# KiCad board AnalogFNN.kicad_pcb (continued)
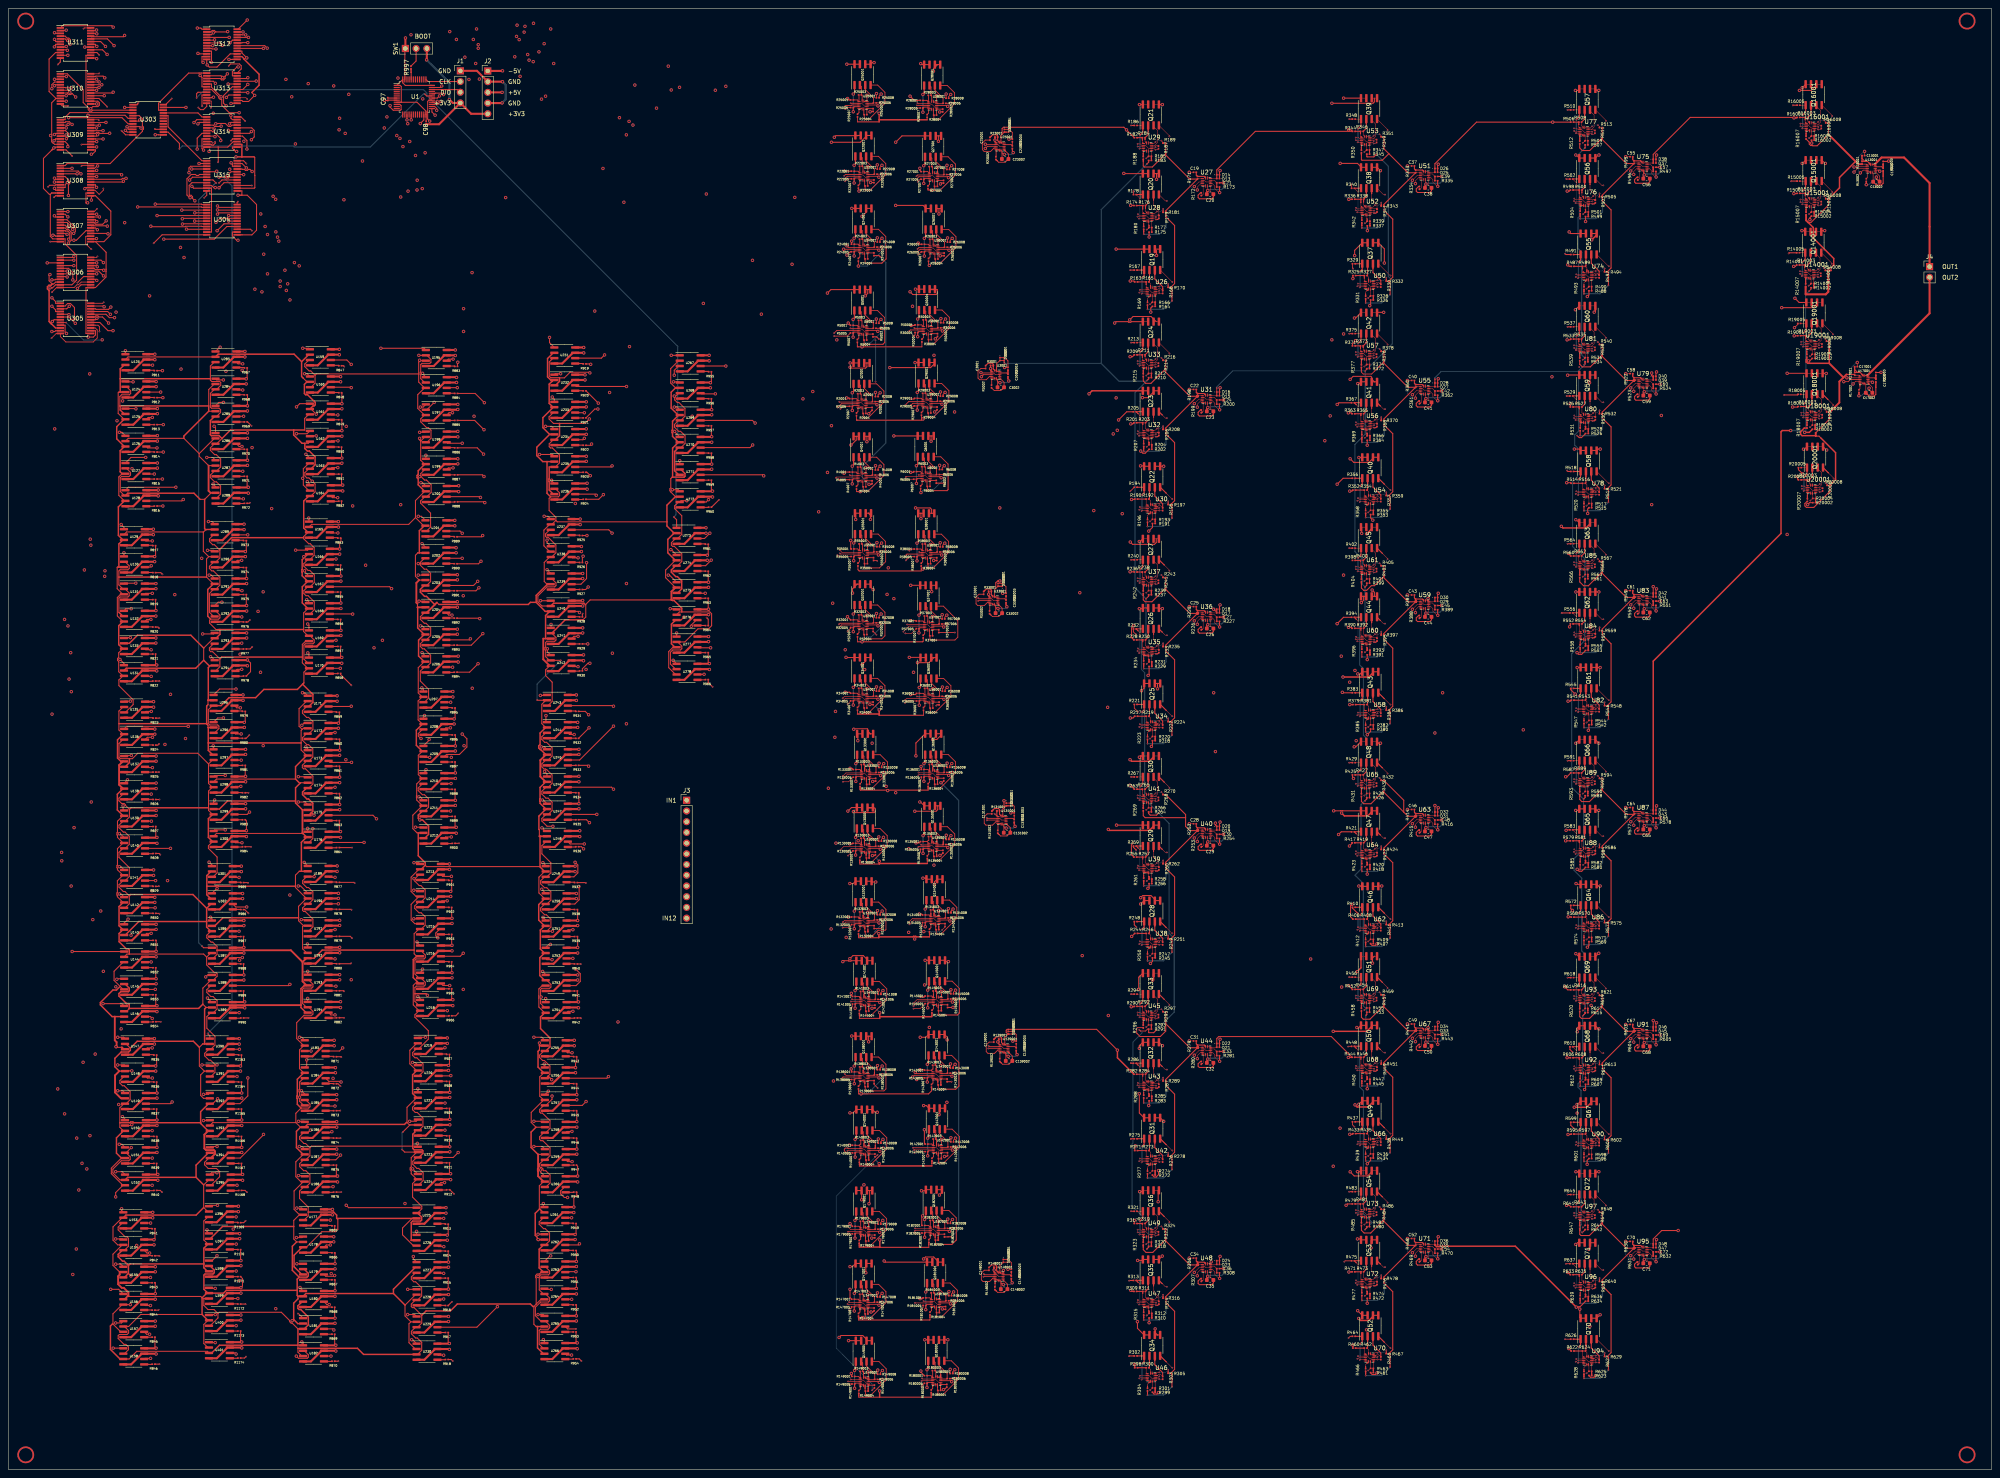
[diagram p0: board, top side]
## Routing (per net, layer and track width the routed paths; a pad name or vN(x,y) marks a point on that pad's centre or on a via; arc(x,y) is an arc through that point) (continued)
/W212: length 258.5
  Top w0.1: Q21.6 272.66,323.72
  Top w0.25: v1(81.25,256.57) 81.14,256.68 U160.6 ; v1(273.48,323.7) 272.69,323.7
  In3.Cu w0.25: v1(89.08,318.16) 89.08,264.4 v1(81.25,256.57)
  In4.Cu w0.25: v1(273.48,323.7) 269.67,319.89 149.82,319.89 148.58,318.65 148.58,318.6 148.25,318.27 148.2,318.27 148.09,318.16 v1(89.08,318.16)
/W213: length 232.1
  Top w0.25: v1(78.07,250.09) 76.54,250.09 ; 270.42,289.42 Q19.8 v1(262.52,289.42)
  In2.Cu w0.25: v1(262.52,254.15) 215.66,254.15 214.72,253.2 208.1,253.2 207.42,253.89 201.43,253.89 199.91,252.37 166.82,252.37 164.54,250.09 162.56,250.09 162.29,250.37 161.81,250.37 161.53,250.09 136.78,250.09 136.73,250.04 136.26,250.04 136.21,250.09 110.86,250.09 110.58,250.37 110.11,250.37 109.83,250.09 105.53,250.09 105.48,250.04 105.01,250.04 104.96,250.09 v1(78.07,250.09)
  In5.Cu w0.25: v1(262.52,254.15) 262.52,271.42 262.75,271.65 262.75,272.13 262.52,272.36 v1(262.52,289.42)
/W214: length 236.2
  Top w0.25: 272.96,289.42 Q19.6 272.09,289.02 v1(272.09,287.92) ; U162.6 76.58,243.96 v1(78.1,243.96)
  In3.Cu w0.25: v1(262.8,246.46) 269.15,252.82 269.15,253.79 269.33,253.96 269.33,254.44 269.15,254.62 269.15,284.98 v1(272.09,287.92)
  In4.Cu w0.25: v1(262.8,246.46) 158.43,246.46 158.13,246.76 157.66,246.76 157.36,246.46 153.87,246.46 151.36,243.96 107.79,243.96 107.78,243.97 107.31,243.97 107.3,243.96 97.73,243.96 97.71,243.94 78.12,243.94 v1(78.1,243.96)
/W215: length 257.7
  Top w0.25: v1(78.07,237.62) 76.69,237.62 U163.6 ; v1(264.34,307.38) 264.4,307.32 Q20.8 270.12,307.32
  In4.Cu w0.25: v1(78.07,237.62) 78.88,237.62 83.26,242 240.86,242 244.45,245.6 v1(261.84,245.6)
  In5.Cu w0.25: v1(261.84,245.6) 261.84,271.42 261.6,271.65 261.6,272.13 261.84,272.36 261.84,304.87 v1(264.34,307.38)
/W216: length 271.5
  Top w0.25: Q20.6 272.03,307.32 ; 272.03,307.32 272.09,307.26 v1(272.09,305.96) ; 272.03,307.32 272.66,307.32 ; v1(78.02,230.48) 76.8,230.48 U164.6
  In2.Cu w0.25: v1(272.09,305.96) 268.68,302.55 201.08,302.55 200.51,303.12 97.32,303.12 97.07,302.88 96.6,302.88 96.36,303.12 96.01,303.12 94.02,301.13 v1(79.51,301.13)
  In3.Cu w0.25: v1(78.02,230.48) 78.02,236.75 77.43,237.34 77.43,299.05 v1(79.51,301.13)
/W221: length 238.1
  Top w0.1: 270.12,272.22 Q24.8
  Top w0.25: Q24.8 266.14,272.22 265.98,272.07 265.5,272.07 265.35,272.22 262.51,272.22 v1(262.18,271.89) ; v1(78.08,222.11) 76.33,222.11
  In1.Cu w0.25: v1(257.23,227.42) 257.23,266.94 v1(262.18,271.89)
  In4.Cu w0.25: v1(257.23,227.42) 192.7,227.42 192.38,227.74 191.76,227.74 191.56,227.54 83.52,227.54 v1(78.08,222.11)
/W222: length 247.2
  Top w0.1: Q24.6 272.66,272.22
  Top w0.25: 272.03,272.22 270.81,273.44 266.54,273.44 v1(265.74,272.64) ; v1(77.64,215.94) 76.3,215.94
  In1.Cu w0.25: v1(263.97,226.68) 263.97,270.87 v1(265.74,272.64)
  In4.Cu w0.25: v1(263.97,226.68) 192.53,226.68 190.71,224.86 138.6,224.86 136.92,223.17 105.02,223.17 97.79,215.94 v1(77.64,215.94)
/W223: length 216.8
  Top w0.25: U167.6 90.34,209.37 v1(90.8,208.91) ; v1(268.31,238.02) 269.06,238.02 ; Q22.8 270.42,237.93
  In1.Cu w0.25: v1(90.8,208.91) 90.8,226.64 v1(92.97,228.82)
  In4.Cu w0.25: v1(92.97,228.82) 111.04,228.82 112.64,230.42 164.79,230.42 165.66,231.3 213.52,231.3 215.72,233.49 263.79,233.49 v1(268.31,238.02)
/W224: length 229.5
  Top w0.25: U168.6 81.53,202.91 v1(81.58,202.87) ; Q22.6 272.96,237.93 ; v1(273.79,237.93) 272.97,237.93
  In1.Cu w0.25: v1(81.58,202.87) v1(81.58,228.53)
  In4.Cu w0.25: v1(81.58,228.53) 81.69,228.41 92.56,228.41 92.73,228.24 93.21,228.24 93.38,228.41 134.74,228.41 135.08,228.75 218.84,228.75 222.6,232.51 268.37,232.51 v1(273.79,237.93)
/W225: length 245.5
  Top w0.25: 270.12,255.82 Q23.8 ; v1(77.64,196.66) 76.37,196.66 U169.6
  Top w0.35: Q23.8 256.81,255.82 v1(256.1,255.11)
  In1.Cu w0.25: v1(256.1,255.11) 253.91,252.92 v1(253.91,207.94)
  In2.Cu w0.25: v1(77.64,196.66) 78.57,196.66 80.64,198.73 97.23,198.73 98.44,199.94 106.8,199.94 106.99,199.75 129.71,199.75 130.66,200.69 180.48,200.69 184.2,204.42 225.81,204.42 229.85,208.46 253.4,208.46 v1(253.91,207.94)
/W226: length 257.5
  Top w0.25: v1(268.75,254.2) 270.05,254.2 271.39,255.54 ; Q23.6 272.66,255.82 ; U170.6 v1(78.65,190.01)
  In2.Cu w0.25: v1(80.06,247.39) 124.66,247.39 125.28,246.77 135.89,246.77 137.7,248.57 137.91,248.57 138.25,248.91 138.25,249.12 138.27,249.15 215.71,249.15 217.03,250.46 219.03,250.46 219.27,250.23 219.74,250.23 219.98,250.46 223.76,250.46 224,250.23 224.47,250.23 224.71,250.46 265.01,250.46 v1(268.75,254.2)
  In3.Cu w0.25: v1(80.06,247.39) 80.06,191.36 78.72,190.01 v1(78.65,190.01)
/W231: length 228.5
  Top w0.1: 270.12,220.72 Q27.8
  Top w0.25: Q27.8 268.21,220.08 v1(268.01,220.08) ; v1(81.25,181.03) 81.19,180.97 U171.6
  In2.Cu w0.25: v1(268.01,220.08) 262.66,214.73 137.57,214.73 137.26,214.43 97.51,214.43 97.36,214.28 96.88,214.28 96.73,214.43 84.68,214.43 v1(84.65,214.46)
  In3.Cu w0.25: v1(84.65,214.46) 84.65,184.42 v1(81.25,181.03)
/W232: length 237.3
  Top w0.1: Q27.6 272.66,220.72
  Top w0.25: 272.03,220.72 272.03,219.83 271.61,219.42 266.42,219.42 v1(265.87,219.96) ; v1(77.4,174.79) 76.15,174.79 U172.6
  In2.Cu w0.25: v1(260.51,180.76) 260.39,180.64 209.75,180.64 207.31,178.2 108.42,178.2 105.01,174.79 v1(77.4,174.79)
  In3.Cu w0.25: v1(265.87,219.96) 260.51,214.59 v1(260.51,180.76)
/W233: length 203.1
  Top w0.25: v1(268.53,184.69) 269.15,185.31 Q25.8 270.42,186.43 ; U173.6 76.23,167.71 v1(81.31,167.71)
  In2.Cu w0.25: v1(268.53,184.69) 263.61,179.77 213.69,179.77 202.8,168.88 107.9,168.88 106.72,167.71 v1(81.31,167.71)
/W234: length 208.7
  Top w0.25: 272.33,186.43 v1(272.33,185.15) ; 272.33,186.43 272.96,186.43 ; 272.33,186.43 Q25.6 ; U174.6 76.05,161.79 v1(77.4,161.79)
  In2.Cu w0.25: v1(272.33,185.15) 266.6,179.42 213.83,179.42 202.95,168.53 108.36,168.53 101.63,161.79 v1(77.4,161.79)
/W235: length 239.5
  Top w0.25: 270.12,204.32 Q26.8 268.67,204.14 v1(268.02,204.14) ; v1(87.23,154.33) 86.39,155.16 75.88,155.16
  In2.Cu w0.25: v1(268.02,204.14) 265.57,201.69 222.35,201.69 219.99,199.33 165.72,199.33 163.06,196.66 109.96,196.66 109.72,196.43 109.25,196.43 109.01,196.66 v1(88.64,196.66)
  In5.Cu w0.25: v1(88.64,196.66) 88.64,155.73 v1(87.23,154.33)
/W236: length 248.7
  Top w0.25: v1(273.48,204.17) 272.81,204.17 ; Q26.6 272.66,204.32 ; U176.6 v1(84.28,148.72)
  In4.Cu w0.25: v1(86.64,194.88) 127.15,194.88 127.15,194.89 127.49,195.22 127.97,195.22 128.31,194.88 134.05,194.88 140.15,200.98 205.98,200.98 206.95,201.95 217.38,201.95 217.66,201.67 270.97,201.67 v1(273.48,204.17)
  In5.Cu w0.25: v1(86.64,194.88) 86.64,151.08 v1(84.28,148.72)
/W241: length 206.2
  Top w0.1: 270.12,169.22 Q30.8
  Top w0.25: v1(77.4,140.45) 76.04,140.45
  Top w0.35: Q30.8 268.33,169.22 v1(268.03,168.93)
  In4.Cu w0.25: v1(268.03,168.93) 262.88,163.78 220.36,163.78 216.52,159.94 97.68,159.94 97.51,160.11 97.04,160.11 96.7,159.77 96.7,159.74 v1(77.4,140.45)
/W242: length 230.5
  Top w0.1: Q30.6 272.66,169.22
  Top w0.25: v1(78.19,134.16) 75.88,134.16
  Top w0.35: v1(265.82,168.34) 266.19,167.96 270.37,167.96 271.39,168.99
  In4.Cu w0.25: v1(265.82,168.34) 105.22,168.34 105.19,168.32 104.72,168.32 104.7,168.34 100.1,168.34 100.08,168.32 99.6,168.32 99.58,168.34 v1(79.97,168.34)
  In5.Cu w0.25: v1(79.97,168.34) 79.97,135.94 v1(78.19,134.16)
/W243: length 199.5
  Top w0.25: v1(77.4,128.06) 76.22,128.06 U191.6 ; v1(268.35,134.12) Q28.8 270.42,134.93
  In2.Cu w0.25: v1(268.35,134.12) 261.14,126.92 215.32,126.92 214.18,128.06 205.89,128.06 205.06,127.23 199.31,127.23 199.07,127.47 198.01,127.47 197.77,127.23 129.31,127.23 129.17,127.09 128.7,127.09 128.56,127.23 78.23,127.23 v1(77.4,128.06)
/W244: length 203.9
  Top w0.25: v1(77.4,121.11) 76.03,121.11 ; Q28.6 272.96,134.93 ; 271.69,135.21 270.77,136.13 268.85,136.13 v1(268.34,135.62)
  In4.Cu w0.25: v1(77.4,121.11) 124.64,121.11 127.88,124.35 127.88,124.77 128.21,125.11 128.69,125.11 128.8,124.99 257.71,124.99 v1(268.34,135.62)
/W245: length 223.5
  Top w0.25: v1(262.62,152.82) Q29.8 270.12,152.82 ; U193.6 76.05,114.64 v1(77.61,114.64)
  In1.Cu w0.25: v1(254.49,121.87) 254.49,144.7 v1(262.62,152.82)
  In2.Cu w0.25: v1(77.61,114.64) 78.5,115.52 104.01,115.52 104.21,115.73 132.25,115.73 138.4,121.87 v1(254.49,121.87)
/W246: length 241.7
  Top w0.25: Q29.6 272.66,152.82 ; U194.6 76.42,107.82 v1(77.4,107.82)
  Top w0.35: 271.39,152.57 270.4,151.58 260.88,151.58 v1(260.67,151.79)
  In3.Cu w0.25: v1(260.67,151.79) v1(260.67,107.67)
  In4.Cu w0.25: v1(77.4,107.82) 77.55,107.67 v1(260.67,107.67)
/W251: length 205.3
  Top w0.1: 270.12,117.72 Q33.8
  Top w0.25: U183.6 78.49,99.26 v1(79.21,99.99) ; v1(267.87,113.86) 267.87,116.74 Q33.8
  In2.Cu w0.25: v1(79.21,99.99) 82.99,103.77 124.9,103.77 130.44,109.31 134.21,109.31 134.68,108.84 198.33,108.84 201.65,112.16 207.82,112.16 208.58,111.4 216.99,111.4 217.91,112.32 266.32,112.32 v1(267.87,113.86)
/W252: length 222.9
  Top w0.1: Q33.6 272.66,117.72
  Top w0.25: U184.6 75.92,92.07 78.66,92.07 v1(78.83,91.9)
  Top w0.35: Q33.6 271.39,116.3 v1(271.18,116.09)
  In4.Cu w0.25: v1(271.18,116.09) 270.52,115.43 217.44,115.43 217.37,115.5 216.89,115.5 216.82,115.43 81.98,115.43 v1(81.24,116.16)
  In5.Cu w0.25: v1(78.83,91.9) 81.24,94.31 v1(81.24,116.16)
/W253: length 201.8
  Top w0.25: v1(268.02,89.12) 268.02,84.56 Q31.8 270.42,83.43 ; v1(77.39,86.2) 75.34,86.2
  In2.Cu w0.25: v1(268.02,89.12) 203.55,89.12 202.62,88.18 136.44,88.18 135.33,87.07 134.27,87.07 133.75,87.59 78.78,87.59 v1(77.39,86.2)
/W254: length 202.7
  Top w0.25: v1(273.79,82.59) Q31.5 ; U186.6 76.45,79.92 v1(76.65,80.12) ; Q31.6 272.96,83.43
  In2.Cu w0.25: v1(273.79,82.59) 200.96,82.59 197.88,79.51 77.26,79.51 v1(76.65,80.12)
/W255: length 207.1
  Top w0.25: v1(268.01,99.89) 268.01,100.48 Q32.8 270.12,101.32 ; v1(78.7,74.58) 77.59,73.46 75.17,73.46
  In4.Cu w0.25: v1(268.01,99.89) 254.95,86.83 222.97,86.83 222.66,86.52 222.18,86.52 221.87,86.83 217.19,86.83 217.14,86.88 216.66,86.88 216.61,86.83 144.2,86.83 131.95,74.58 v1(78.7,74.58)
/W256: length 230.7
  Top w0.25: v1(273.5,100.53) 273.46,100.53 Q32.5 ; U188.6 76.85,67.01 v1(76.94,67.1) ; Q32.6 272.66,101.32
  In1.Cu w0.25: v1(76.94,92.77) 76.94,86.56 76.81,86.44 76.81,85.97 76.94,85.85 76.94,80.78 77.29,80.42 77.29,79.87 76.94,79.52 v1(76.94,67.1)
  In2.Cu w0.25: v1(273.5,100.53) 262.66,100.53 261.16,99.03 180.09,99.03 173.84,92.77 142.61,92.77 142.45,92.61 141.97,92.61 141.81,92.77 129.25,92.77 128.98,93.04 128.5,93.04 128.24,92.77 105.51,92.77 105.23,92.5 104.47,92.5 104.19,92.77 79.27,92.77 79.22,92.83 78.45,92.83 78.39,92.77 v1(76.94,92.77)
/W261: length 198.6
  Top w0.1: 270.12,66.23 Q36.8
  Top w0.25: Q36.8 268.53,65.9 v1(268.09,65.9) ; 74.78,59.17 v1(76.28,59.17)
  In4.Cu w0.25: v1(268.09,65.9) 217,65.9 216.97,65.88 216.63,65.54 216.16,65.54 215.79,65.9 89.12,65.9 82.38,59.17 v1(76.28,59.17)
/W262: length 206
  Top w0.1: Q36.6 272.49,66.23
  Top w0.25: 74.78,52.71 75.32,53.26 v1(76.28,53.26) ; 272.49,66.23 v1(272.49,63.52)
  In2.Cu w0.25: v1(272.49,63.52) 207.23,63.52 200.82,57.11 131.93,57.11 128.37,53.55 102.73,53.55 102.44,53.26 v1(76.28,53.26)
/W263: length 202.6
  Top w0.25: v1(267.58,35.07) 267.58,33.5 Q34.8 270.42,31.93 ; 74.78,46.26 75.2,45.84 77.13,45.84 v1(77.31,46.01)
  In4.Cu w0.25: v1(77.31,46.01) 79.68,43.64 129.33,43.64 137.55,35.42 267.23,35.42 v1(267.58,35.07)
/W264: length 202.6
  Top w0.25: 74.78,39.81 75.45,39.14 v1(76.02,39.14) ; 272.33,31.93 271.77,32.49 v1(271.77,33.36) ; 272.33,31.93 Q34.6 ; 272.33,31.93 272.96,31.93
  In4.Cu w0.25: v1(271.77,33.36) 267.69,33.36 266.63,34.42 80.73,34.42 v1(76.02,39.14)
/W265: length 202.4
  Top w0.25: v1(77.13,33.1) 76.87,33.37 74.78,33.37 ; 270.12,49.82 Q35.8 268.62,49.6 v1(267.61,49.6)
  In2.Cu w0.25: v1(77.13,33.1) 78.28,34.25 194.62,34.25 207.19,46.82 231.38,46.82 234.16,49.6 v1(267.61,49.6)
/W266: length 222.9
  Top w0.25: 74.78,26.92 v1(76.45,26.92) ; v1(273.46,50.63) Q35.5 ; Q35.6 272.66,49.82
  In1.Cu w0.25: v1(76.5,46.47) 76.5,39.47 76.59,39.37 76.59,38.9 76.5,38.8 76.5,26.97 v1(76.45,26.92)
  In4.Cu w0.25: v1(273.46,50.63) 209.11,50.63 208.11,49.63 208.11,49.23 207.78,48.89 207.38,48.89 205.79,47.31 134.93,47.31 134.74,47.5 134.26,47.5 134.07,47.31 101.89,47.31 101.06,46.47 77.66,46.47 77.55,46.59 77.07,46.59 76.95,46.47 v1(76.5,46.47)
/W311: length 276.5
  Top w0.1: 321.82,325.22 Q39.8
  Top w0.25: Q39.8 v1(316.43,325.22) ; v1(105.39,263.34) 104.25,263.34 U195.6
  In3.Cu w0.25: v1(316.43,325.22) v1(316.43,269.3)
  In4.Cu w0.25: v1(105.39,263.34) 105.63,263.57 192.94,263.57 198.67,269.3 v1(316.43,269.3)
/W312: length 283.1
  Top w0.1: Q39.6 324.36,325.22
  Top w0.25: v1(106.37,256.57) 103.93,256.57 ; 323.73,325.22 323.73,324.34 323.4,324.02 v1(313.65,324.02)
  In3.Cu w0.25: v1(313.65,324.02) v1(313.65,267.9)
  In4.Cu w0.25: v1(313.65,267.9) 221.45,267.9 212.79,259.25 160.57,259.25 157.89,256.57 147.02,256.57 146.72,256.27 146.25,256.27 145.95,256.57 v1(106.37,256.57)
/W313: length 257.3
  Top w0.25: U197.6 104.43,250.62 v1(105.24,250.62) ; 322.12,290.92 Q37.8 319.05,289.13 v1(319.05,287.88)
  In3.Cu w0.25: v1(319.05,287.88) 318.01,286.84 318.01,272.78 318.22,272.57 318.22,259.99 313.25,255.02 v1(313.25,249.88)
  In4.Cu w0.25: v1(105.24,250.62) 106.36,249.5 109.83,249.5 110.11,249.22 110.58,249.22 110.86,249.5 137.21,249.5 137.43,249.72 137.91,249.72 138.14,249.5 161.53,249.5 161.81,249.22 162.29,249.22 162.56,249.5 164.59,249.5 165.29,248.8 204.29,248.8 205.25,249.76 218.74,249.76 218.98,249.53 223.04,249.53 223.39,249.88 v1(313.25,249.88)
/W314: length 269.5
  Top w0.25: v1(326.09,286.12) 326.09,289.5 Q37.5 ; Q37.6 324.66,290.92 ; U198.6 104.1,243.39 v1(107.55,243.39)
  In1.Cu w0.25: v1(109.88,283.85) 107.55,281.51 107.55,275.79 107.29,275.53 107.29,275.05 107.55,274.79 107.55,270.4 107.29,270.14 107.29,269.66 107.55,269.4 v1(107.55,243.39)
  In2.Cu w0.25: v1(109.88,283.85) 110.01,283.72 323.68,283.72 v1(326.09,286.12)
/W315: length 284.8
  Top w0.25: v1(315.61,309.75) 319.73,309.75 320.66,308.82 321.82,308.82 ; v1(105.38,237.53) 104.24,237.53 U199.6
  In1.Cu w0.25: v1(315.61,309.75) 311.98,306.11 v1(311.98,243.99)
  In4.Cu w0.25: v1(311.98,243.99) 248.49,243.99 246.15,241.65 110.55,241.65 106.43,237.53 v1(105.38,237.53)
/W316: length 294.5
  Top w0.25: v1(325.16,308.02) Q38.5 ; v1(111.87,230.54) 111.69,230.72 103.88,230.72 ; Q38.6 324.36,308.82
  In1.Cu w0.25: v1(111.87,230.54) 111.87,295.67 v1(117.84,301.65)
  In4.Cu w0.25: v1(325.16,308.02) 318.98,301.84 201.7,301.84 200.86,301 173.31,301 172.67,301.65 v1(117.84,301.65)
/W321: length 268.6
  Top w0.1: 321.82,274.35 Q42.8
  Top w0.25: 103.78,222.56 107.02,222.56 v1(107.55,222.04) ; v1(319.01,273.08) 319.28,273.08 Q42.8
  In4.Cu w0.25: v1(319.01,273.08) 266.5,273.08 265.95,273.63 187.13,273.63 183.4,269.9 v1(107.86,269.9)
  In5.Cu w0.25: v1(107.55,222.04) 107.68,222.18 107.68,240.04 108.26,240.62 108.26,244.32 107.86,244.72 v1(107.86,269.9)
/W322: length 285.4
  Top w0.1: Q42.6 324.36,274.35
  Top w0.25: v1(325.94,274.43) 324.43,274.43 ; v1(107.55,216.1) 107.53,216.12 103.78,216.12
  In4.Cu w0.25: v1(107.86,275.29) 107.94,275.37 211.59,275.37 211.73,275.23 268.92,275.23 269.27,275.58 270.21,275.58 270.58,275.21 271.18,275.21 271.97,274.43 v1(325.94,274.43)
  In5.Cu w0.25: v1(107.86,275.29) 108.26,274.89 108.26,270.31 108.44,270.14 108.44,269.66 108.26,269.48 108.26,244.99 108.61,244.64 108.61,240.3 108.26,239.95 108.26,216.81 v1(107.55,216.1)
/W323: length 230.9
  Top w0.25: v1(111.21,210.65) 110.23,209.66 103.78,209.66 ; v1(320.05,240.01) 320.8,240.01 ; 320.85,240.06 322.12,240.06
  In4.Cu w0.25: v1(111.21,210.65) 120.13,219.57 192.57,219.57 199.13,226.13 263.71,226.13 263.73,226.11 264.21,226.11 264.23,226.13 306.17,226.13 v1(320.05,240.01)
/W324: length 252.5
  Top w0.25: v1(317.98,239.71) 318.85,238.84 322.43,238.84 323.39,239.8 ; 323.39,240.06 324.66,240.06 ; 103.78,203.22 104.36,202.63 v1(105.11,202.63)
  In2.Cu w0.25: v1(105.11,202.63) 106.35,203.87 136.36,203.87 137.25,204.77 217.52,204.77 221.56,208.81 313.12,208.81 v1(316.42,212.11)
  In3.Cu w0.25: v1(317.98,239.71) 316.42,238.15 v1(316.42,212.11)
/W325: length 275
  Top w0.25: v1(319.8,257.53) 320.13,257.53 Q41.8 ; 321.82,257.95 320.55,257.95 ; v1(109.49,197) 109.25,196.76 103.78,196.76
  In4.Cu w0.25: v1(110.34,249.79) 110.4,249.85 137.06,249.85 137.29,250.07 160.98,250.07 161.34,250.44 164.81,250.44 165.75,249.5 203.92,249.5 204.88,250.46 219.04,250.46 219.27,250.23 219.74,250.23 219.98,250.46 222.26,250.46 227.25,255.44 255.62,255.44 255.86,255.68 256.34,255.68 256.58,255.44 303.55,255.44 305.64,257.53 v1(319.8,257.53)
  In5.Cu w0.25: v1(110.34,249.79) 110.34,197.86 v1(109.49,197)
/W326: length 288.1
  Top w0.25: 323.09,257.95 323.73,257.95 ; 323.73,257.95 324.36,257.95 ; 323.73,257.95 323.08,258.6 323.08,259.05 322.89,259.25 318.69,259.25 v1(317.98,258.53) ; v1(105.27,190.27) 103.82,190.27
  In3.Cu w0.25: v1(317.98,258.53) 315.88,256.43 315.88,212.38 315.85,212.35 315.85,211.87 315.88,211.84 v1(315.88,192.89)
  In4.Cu w0.25: v1(105.27,190.27) 133.76,190.27 136.06,192.57 197.52,192.57 198.19,193.24 235.62,193.24 235.97,192.89 v1(315.88,192.89)
/W331: length 255.4
  Top w0.1: 321.82,223.49 320.73,223.49
  Top w0.25: v1(104.81,181.97) U207.6 ; 320.73,223.49 v1(320.73,222.01)
  In4.Cu w0.25: v1(104.81,181.97) 106.31,181.97 109.35,185 109.35,185.05 109.35,185.52 109.68,185.86 110.16,185.86 110.18,185.84 112.01,187.66 202.13,187.66 204.22,189.76 214.81,189.76 215.06,189.5 v1(319.12,189.5)
  In5.Cu w0.25: v1(320.73,222.01) 320.73,208.49 318.86,206.62 318.86,189.77 v1(319.12,189.5)
/W332: length 259
  Top w0.1: Q45.6 324.36,223.49
  Top w0.25: U208.6 103.67,175.89 v1(104.75,175.89)
  Top w0.35: 323.09,223.1 v1(321.9,221.9)
  In3.Cu w0.25: v1(321.9,221.9) 321.9,212.07 319.11,209.29 319.11,198.03 317.87,196.79 v1(317.87,186.73)
  In4.Cu w0.25: v1(317.87,186.73) 131.19,186.73 120.36,175.89 v1(104.75,175.89)
/W333: length 230.5
  Top w0.25: v1(107.55,174.41) 108.65,173.31 108.65,171.35 106.88,169.59 103.82,169.59 U209.6 ; v1(319.79,188.68) 320.35,188.68 Q43.8 322.12,189.19
  In2.Cu w0.25: v1(107.55,174.41) 108.08,174.94 147.95,174.94 150.84,177.82 209.62,177.82 211.92,180.12 262.78,180.12 271.34,188.68 v1(319.79,188.68)
/W334: length 242.6
  Top w0.25: v1(104.89,162.68) 103.36,162.68 ; Q43.6 324.66,189.19
  Top w0.35: 323.39,188.94 322.39,187.94 v1(316.3,187.94)
  In1.Cu w0.25: v1(109.92,185.28) 107.12,182.48 107.12,174.8 106.97,174.65 106.97,174.17 107.12,174.02 107.12,168.78 104.89,166.55 v1(104.89,162.68)
  In4.Cu w0.25: v1(316.3,187.94) 315.43,187.08 125.76,187.08 123.97,185.28 v1(109.92,185.28)
/W335: length 260
  Top w0.25: v1(320.63,205.6) 321.19,206.15 321.19,207.09 ; 321.82,207.09 321.19,207.09 ; 321.19,207.09 Q44.8 ; v1(104.78,156.17) U211.6
  In2.Cu w0.25: v1(319.42,172.85) 219.59,172.85 219.3,172.56 218.83,172.56 218.54,172.85 207.76,172.85 203.09,168.18 118.36,168.18 106.35,156.17 v1(104.78,156.17)
  In5.Cu w0.25: v1(320.63,205.6) 320.3,205.27 320.3,188.98 320.37,188.92 320.37,188.44 320.3,188.38 320.3,187.97 320.81,187.47 320.81,174.24 v1(319.42,172.85)
/W336: length 280
  Top w0.25: U212.6 103.6,150.02 v1(104.96,150.02) ; Q44.6 323.73,207.09 ; 323.73,207.09 324.36,207.09 ; 323.73,207.09 323.73,208.05 v1(323.19,208.58)
  In3.Cu w0.25: v1(104.96,150.02) 104.96,155 107.79,157.84 107.79,171.04 107.75,171.08 107.41,171.42 107.41,171.9 107.79,172.28 107.79,173.84 108.12,174.17 108.12,174.65 107.79,174.98 v1(107.79,207.22)
  In4.Cu w0.25: v1(323.19,208.58) 220.22,208.58 218.8,207.16 209.34,207.16 209.06,206.88 108.13,206.88 v1(107.79,207.22)
/W341: length 250.2
  Top w0.1: 321.82,172.62 320.55,172.62
  Top w0.25: v1(104.99,140.67) 102.91,140.67 U213.6 ; v1(318.95,171.4) 319.34,171.4 Q48.8
  In3.Cu w0.25: v1(107.98,171.66) 108.18,171.47 108.18,157.31 107.71,156.84 107.71,143.39 v1(104.99,140.67)
  In4.Cu w0.25: v1(107.98,171.66) 125.77,171.66 126.06,171.95 126.54,171.95 126.83,171.66 200.76,171.66 201.59,170.82 271.44,170.82 272.02,171.4 v1(318.95,171.4)
/W342: length 260.2
  Top w0.1: 323.09,172.62 324.36,172.62
  Top w0.25: v1(103.98,134.87) 102.74,134.87 U214.6 ; Q48.5 324.72,172.26 v1(325.17,172.26)
  In1.Cu w0.25: v1(104.96,168.89) 103.89,167.82 103.89,134.97 v1(103.98,134.87)
  In4.Cu w0.25: v1(104.96,168.89) 136.91,168.89 137.92,169.9 279.87,169.9 280.16,169.62 322.53,169.62 v1(325.17,172.26)
/W343: length 228.6
  Top w0.25: 102.22,128.18 101.28,127.24 101.28,126.58 v1(101.76,126.11) ; 320.85,138.31 322.12,138.31 ; v1(320.04,138.39) 320.78,138.39
  In2.Cu w0.25: v1(320.04,138.39) 274.42,138.39 262.14,126.11 215.3,126.11 215.01,126.4 214.98,126.4 214.92,126.46 199.09,126.46 198.78,126.77 198.3,126.77 197.99,126.46 129.53,126.46 129.46,126.39 102.04,126.39 v1(101.76,126.11)
/W344: length 232.1
  Top w0.25: 323.39,138.31 324.66,138.31 ; U216.6 107.08,121.73 v1(107.79,122.44) ; v1(325.47,138.39) 324.73,138.39
  In2.Cu w0.25: v1(325.47,138.39) 315.27,128.18 269.7,128.18 267.04,125.53 215.3,125.53 215.01,125.25 214.53,125.25 214.24,125.53 199.19,125.53 198.89,125.23 110.58,125.23 v1(107.79,122.44)
/W345: length 254.3
  Top w0.25: v1(104.59,114.8) 102.98,114.8 U217.6 ; v1(314.08,156.21) 315.69,156.21 315.73,156.26 316.2,156.26 316.24,156.21 Q47.8 ; 321.82,156.22 320.55,156.22
  In2.Cu w0.25: v1(308.62,121.08) 217.76,121.08 217.49,121.34 217.02,121.34 216.75,121.08 203.47,121.08 197.2,114.8 v1(104.59,114.8)
  In3.Cu w0.25: v1(314.08,156.21) 308.62,150.76 v1(308.62,121.08)
/W346: length 266.2
  Top w0.25: v1(104.01,108.83) U218.6 ; 323.09,156.22 324.36,156.22
  Top w0.35: v1(315.96,155.68) 316.63,155.01 322.14,155.01 323.09,155.96
  In1.Cu w0.25: v1(315.96,155.68) v1(315.96,114.43)
  In2.Cu w0.25: v1(315.96,114.43) 268.12,114.43 268.11,114.44 267.63,114.44 267.61,114.43 217.44,114.43 217.37,114.35 216.89,114.35 216.82,114.43 200.25,114.43 196.02,110.2 107.58,110.2 106.21,108.83 v1(104.01,108.83)
/W351: length 230.5
  Top w0.1: 321.82,121.75 Q51.8
  Top w0.25: v1(103.45,100.04) 103.23,99.81 U219.6
  Top w0.35: v1(319.66,118.09) 320.55,118.98 Q51.8
  In4.Cu w0.25: v1(103.45,100.04) 123.52,100.04 127.66,104.18 262.66,104.18 276.58,118.09 v1(319.66,118.09)
/W352: length 245.7
  Top w0.1: Q51.6 324.36,121.75
  Top w0.25: U220.6 104.79,93.37 v1(104.85,93.42) ; v1(323.29,120.09) 323.29,121.31 323.73,121.75
  In2.Cu w0.25: v1(107.79,113.86) 198.55,113.86 202.12,117.44 320.63,117.44 v1(323.29,120.09)
  In3.Cu w0.25: v1(104.85,93.42) 107.79,96.37 v1(107.79,113.86)
/W353: length 221.7
  Top w0.25: v1(320.04,86.63) Q49.8 322.12,87.44 ; U221.6 v1(103.46,86.92)
  In2.Cu w0.25: v1(320.04,86.63) 319.24,87.43 268.79,87.43 268.27,86.92 223.05,86.92 222.99,86.86 222.66,86.52 222.18,86.52 221.78,86.92 137.36,86.92 137.14,86.7 136.66,86.7 136.44,86.92 135.84,86.92 135.6,86.67 103.71,86.67 v1(103.46,86.92)
/W354: length 226
  Top w0.25: Q49.6 324.66,87.44 ; v1(103.46,80.49) 102,80.49
  Top w0.35: v1(319.14,86.49) 319.64,85.99 322.22,85.99 323.39,87.16
  In2.Cu w0.25: v1(103.46,80.49) 104.59,80.49 109.89,85.79 216.61,85.79 216.66,85.73 217.14,85.73 217.19,85.79 269.89,85.79 269.97,85.7 318.34,85.7 v1(319.14,86.49)
/W355: length 244.5
  Top w0.25: 321.82,105.34 Q50.8 320.04,104.83 v1(319.58,104.83) ; v1(106.58,75.19) 105.41,74.01 U223.6
  In2.Cu w0.25: v1(315.6,80.96) 314.61,79.97 198.84,79.97 196.58,77.71 109.11,77.71 v1(106.58,75.19)
  In5.Cu w0.25: v1(315.6,80.96) 315.6,100.85 v1(319.58,104.83)
/W356: length 256.7
  Top w0.25: v1(103.37,68.06) 102.47,68.06 U224.6 ; Q50.6 324.36,105.34
  Top w0.35: 323.09,105.09 321.93,103.93 v1(313.97,103.93)
  In1.Cu w0.25: v1(313.97,103.93) v1(313.97,71.93)
  In2.Cu w0.25: v1(103.37,68.06) 112.89,68.06 116.76,71.93 v1(313.97,71.93)
/W361: length 225.3
  Top w0.1: 321.82,70.88 320.55,70.88
  Top w0.25: v1(319.72,70.64) 320.31,70.64 Q54.8 ; U225.6 v1(103.16,59.56)
  In2.Cu w0.25: v1(103.16,59.56) 105.48,59.56 112.24,66.33 215.79,66.33 215.82,66.35 216.16,66.69 216.63,66.69 217,66.33 267.7,66.33 267.85,66.48 268.33,66.48 268.48,66.33 315.4,66.33 v1(319.72,70.64)
/W362: length 230.9
  Top w0.1: 323.09,70.88 324.36,70.88
  Top w0.25: v1(317.98,70.61) 318.95,69.64 322.13,69.64 323.09,70.59 ; U226.6 101.91,52.88 v1(103.18,52.88)
  In4.Cu w0.25: v1(317.98,70.61) 300.25,52.88 v1(103.18,52.88)
/W363: length 225.2
  Top w0.25: v1(103.15,46.55) 101.79,46.55 ; 322.12,36.57 320.85,36.57 319.77,37.65 v1(319.77,37.67)
  In4.Cu w0.25: v1(319.77,37.67) 319.69,37.76 223.82,37.76 222.56,39.01 207.33,39.01 206.66,38.34 202.6,38.34 194.4,46.55 134.93,46.55 134.74,46.35 134.26,46.35 134.07,46.55 v1(103.15,46.55)
/W364: length 226.8
  Top w0.25: v1(103.15,40.44) 101.9,40.44 U228.6 ; 323.39,36.57 324.66,36.57
  Top w0.35: v1(320.03,35.83) 320.5,35.35 322.42,35.35 323.39,36.32
  In4.Cu w0.25: v1(103.15,40.44) 131.93,40.44 137.48,34.89 266.8,34.89 267.27,34.42 268.76,34.42 270.16,35.83 v1(320.03,35.83)
/W365: length 228.9
  Top w0.25: 321.82,54.48 320.55,54.48 ; Q53.8 320.33,54.7 v1(319.72,54.7) ; v1(115.9,38.63) 111.03,33.76 U229.6